# KiCad board solderCurved.kicad_pcb (continued)
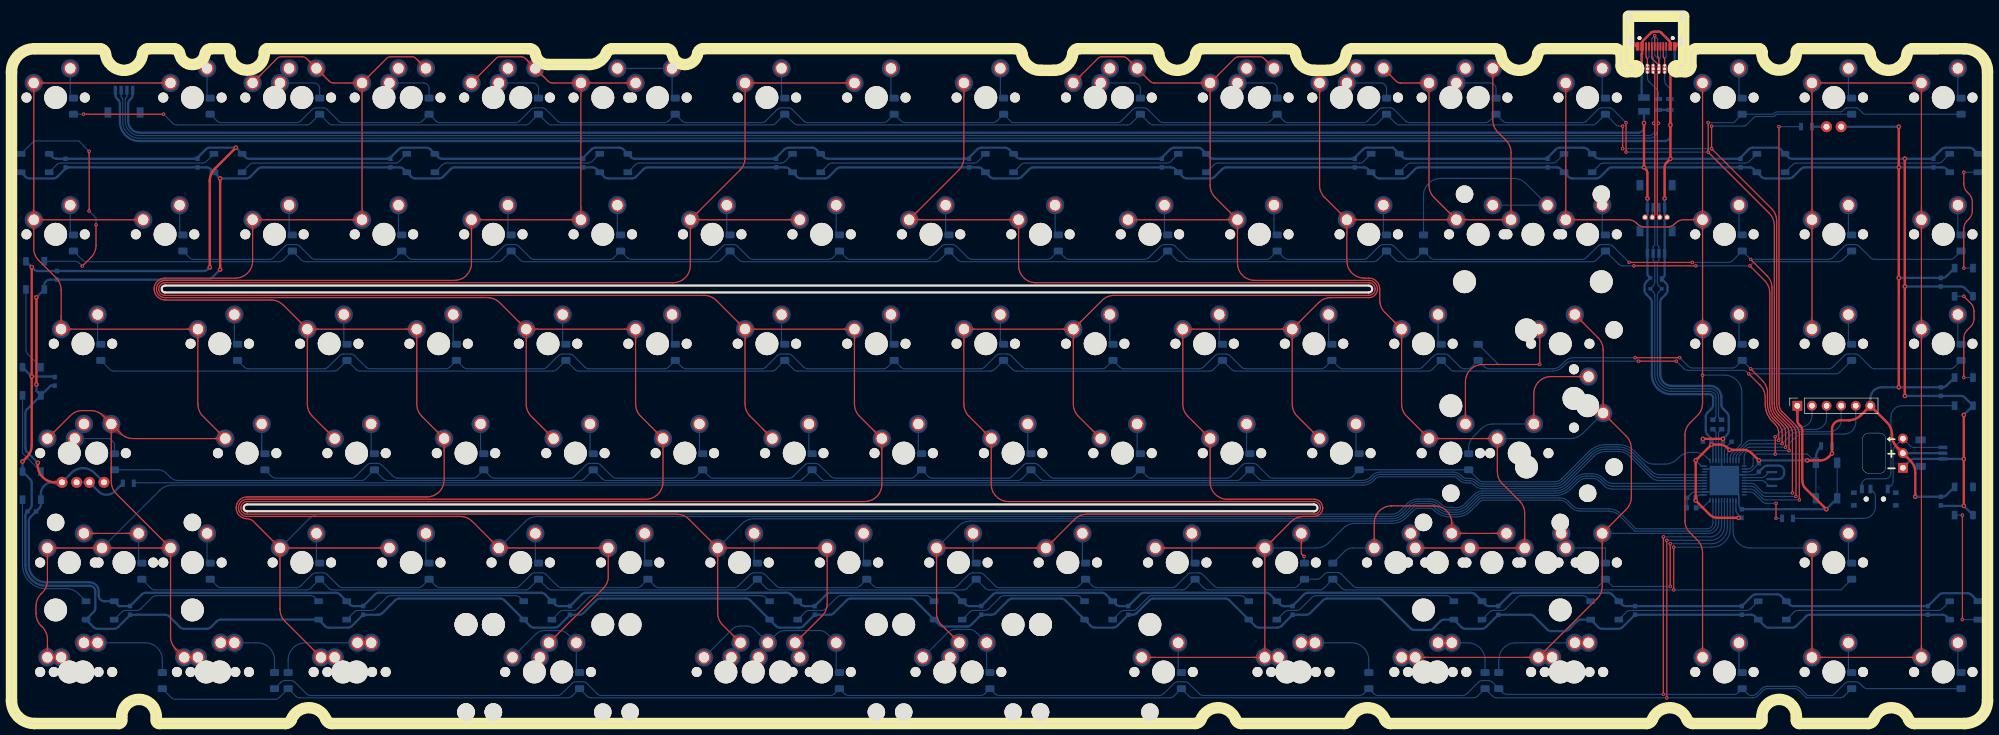
[diagram p0: board, top side]
## Copper pours and planes (outline as drawn; the poured copper is in the pictures) (continued)
Col1 on Top: 68.16,68.56 68.26,68.56 68.36,68.56 68.45,68.55 68.53,68.54 68.61,68.52 68.68,68.5 68.75,68.48 68.81,68.46 68.87,68.43 68.93,68.4 68.98,68.37 69.03,68.34 69.08,68.3 69.13,68.27 69.56,67.89 69.61,67.84 69.67,67.8 69.73,67.76 69.8,67.71 69.87,67.67 69.95,67.63 70.03,67.58 71.15,68.66 70.03,69.74 69.95,69.7 69.87,69.66 69.8,69.62 69.73,69.57 69.67,69.53 69.61,69.49 69.56,69.44 69.13,69.06 69.08,69.03 69.03,68.99 68.98,68.96 68.93,68.93 68.87,68.9 68.81,68.87 68.75,68.85 68.68,68.83 68.61,68.81 68.53,68.79 68.45,68.78 68.36,68.77 68.26,68.77 68.16,68.76
Col1 on Top: 51.6,66.27 51.6,66.38 51.61,66.47 51.62,66.56 51.63,66.64 51.65,66.72 51.66,66.79 51.69,66.86 51.71,66.92 51.74,66.98 51.76,67.04 51.8,67.09 51.83,67.14 51.86,67.19 51.9,67.24 52.28,67.67 52.32,67.72 52.37,67.78 52.41,67.85 52.45,67.91 52.5,67.98 52.54,68.06 52.58,68.14 51.5,69.26 50.42,68.14 50.46,68.06 50.51,67.98 50.55,67.91 50.59,67.85 50.64,67.78 50.68,67.72 50.73,67.67 51.1,67.24 51.14,67.19 51.17,67.14 51.21,67.09 51.24,67.04 51.27,66.98 51.29,66.92 51.32,66.86 51.34,66.79 51.36,66.72 51.37,66.64 51.39,66.56 51.39,66.47 51.4,66.38 51.4,66.27
Col1 on Top: 44.37,87.81 44.26,87.82 44.17,87.82 44.08,87.83 44,87.84 43.92,87.86 43.85,87.88 43.78,87.9 43.72,87.92 43.66,87.95 43.6,87.98 43.55,88.01 43.5,88.04 43.45,88.08 43.4,88.11 42.97,88.49 42.92,88.54 42.86,88.58 42.8,88.62 42.73,88.67 42.66,88.71 42.58,88.75 42.5,88.79 41.38,87.71 42.5,86.63 42.58,86.68 42.66,86.72 42.73,86.76 42.8,86.81 42.86,86.85 42.92,86.89 42.97,86.94 43.4,87.32 43.45,87.35 43.5,87.39 43.55,87.42 43.6,87.45 43.66,87.48 43.72,87.51 43.78,87.53 43.85,87.55 43.92,87.57 44,87.59 44.08,87.6 44.17,87.61 44.26,87.61 44.37,87.61
Col1 on Top: 46.84,28.17 46.84,28.28 46.85,28.37 46.86,28.46 46.87,28.54 46.88,28.62 46.9,28.69 46.92,28.76 46.95,28.82 46.97,28.88 47,28.94 47.03,28.99 47.07,29.04 47.1,29.09 47.14,29.14 47.52,29.57 47.56,29.62 47.6,29.68 47.65,29.75 47.69,29.81 47.74,29.88 47.78,29.96 47.82,30.04 46.74,31.16 45.66,30.04 45.7,29.96 45.74,29.88 45.79,29.81 45.83,29.75 45.87,29.68 45.92,29.62 45.96,29.57 46.34,29.14 46.38,29.09 46.41,29.04 46.44,28.99 46.48,28.94 46.5,28.88 46.53,28.82 46.56,28.76 46.58,28.69 46.59,28.62 46.61,28.54 46.62,28.46 46.63,28.37 46.64,28.28 46.64,28.17
Col1 on Top: 62.65,113.29 62.57,113.22 62.5,113.15 62.43,113.1 62.37,113.05 62.3,113 62.24,112.97 62.17,112.93 62.11,112.91 62.05,112.88 61.99,112.86 61.93,112.85 61.87,112.83 61.81,112.82 61.75,112.82 61.18,112.78 61.11,112.77 61.04,112.76 60.96,112.75 60.88,112.73 60.8,112.71 60.72,112.69 60.63,112.66 60.6,111.1 62.16,111.13 62.19,111.22 62.21,111.3 62.23,111.39 62.25,111.46 62.26,111.54 62.27,111.61 62.28,111.68 62.32,112.25 62.32,112.31 62.33,112.37 62.35,112.43 62.36,112.49 62.38,112.55 62.4,112.61 62.43,112.67 62.47,112.74 62.5,112.8 62.55,112.87 62.6,112.93 62.65,113 62.72,113.07 62.79,113.15
Col1 on Top: 70.65,66.27 70.65,66.38 70.66,66.47 70.67,66.56 70.68,66.64 70.7,66.72 70.71,66.79 70.74,66.86 70.76,66.92 70.79,66.98 70.81,67.04 70.85,67.09 70.88,67.14 70.91,67.19 70.95,67.24 71.33,67.67 71.37,67.72 71.42,67.78 71.46,67.85 71.5,67.91 71.55,67.98 71.59,68.06 71.63,68.14 70.55,69.26 69.47,68.14 69.51,68.06 69.56,67.98 69.6,67.91 69.64,67.85 69.69,67.78 69.73,67.72 69.78,67.67 70.15,67.24 70.19,67.19 70.22,67.14 70.26,67.09 70.29,67.04 70.32,66.98 70.34,66.92 70.37,66.86 70.39,66.79 70.41,66.72 70.42,66.64 70.44,66.56 70.44,66.47 70.45,66.38 70.45,66.27
Col1 on Top: 49.74,70.28 49.81,70.21 49.87,70.14 49.93,70.07 49.98,70 50.02,69.94 50.06,69.87 50.1,69.81 50.12,69.75 50.15,69.69 50.17,69.63 50.18,69.57 50.19,69.51 50.2,69.45 50.21,69.39 50.25,68.82 50.26,68.75 50.27,68.68 50.28,68.6 50.3,68.52 50.32,68.44 50.34,68.36 50.37,68.27 51.93,68.24 51.9,69.8 51.81,69.83 51.72,69.85 51.64,69.87 51.57,69.89 51.49,69.9 51.42,69.91 51.35,69.92 50.78,69.95 50.72,69.96 50.66,69.97 50.6,69.98 50.54,70 50.48,70.02 50.42,70.04 50.36,70.07 50.29,70.1 50.23,70.14 50.16,70.18 50.1,70.23 50.03,70.29 49.96,70.35 49.88,70.43
Col1 on Top: 70.38,115.69 70.45,115.61 70.51,115.54 70.57,115.47 70.62,115.41 70.66,115.34 70.7,115.28 70.73,115.21 70.76,115.15 70.78,115.09 70.8,115.03 70.82,114.97 70.83,114.91 70.84,114.85 70.85,114.79 70.89,114.22 70.89,114.15 70.9,114.08 70.92,114 70.93,113.93 70.95,113.84 70.98,113.76 71.01,113.67 72.56,113.64 72.53,115.2 72.45,115.23 72.36,115.25 72.28,115.27 72.2,115.29 72.13,115.3 72.05,115.31 71.98,115.32 71.41,115.36 71.35,115.36 71.29,115.37 71.24,115.39 71.18,115.4 71.12,115.42 71.05,115.45 70.99,115.47 70.93,115.51 70.87,115.54 70.8,115.59 70.73,115.64 70.66,115.69 70.59,115.76 70.52,115.83
Col1 on Top: 42.08,85.32 42.08,85.43 42.08,85.52 42.09,85.61 42.11,85.69 42.12,85.77 42.14,85.84 42.16,85.91 42.18,85.97 42.21,86.03 42.24,86.09 42.27,86.14 42.3,86.19 42.34,86.24 42.37,86.29 42.75,86.72 42.8,86.77 42.84,86.83 42.89,86.9 42.93,86.96 42.97,87.03 43.02,87.11 43.06,87.19 41.98,88.31 40.9,87.19 40.94,87.11 40.98,87.03 41.02,86.96 41.07,86.9 41.11,86.83 41.16,86.77 41.2,86.72 41.58,86.29 41.61,86.24 41.65,86.19 41.68,86.14 41.71,86.09 41.74,86.03 41.77,85.97 41.79,85.91 41.81,85.84 41.83,85.77 41.85,85.69 41.86,85.61 41.87,85.52 41.87,85.43 41.88,85.32
Col1 on Top: 58.64,111.43 58.74,111.43 58.83,111.42 58.92,111.41 59,111.4 59.08,111.38 59.15,111.36 59.22,111.34 59.29,111.32 59.34,111.29 59.4,111.26 59.45,111.23 59.51,111.2 59.55,111.17 59.6,111.13 60.03,110.75 60.09,110.71 60.14,110.66 60.21,110.62 60.27,110.57 60.35,110.53 60.42,110.49 60.5,110.45 61.63,111.53 60.5,112.61 60.42,112.57 60.35,112.52 60.27,112.48 60.21,112.44 60.14,112.39 60.09,112.35 60.03,112.3 59.6,111.93 59.55,111.89 59.51,111.85 59.45,111.82 59.4,111.79 59.34,111.76 59.29,111.73 59.22,111.71 59.15,111.69 59.08,111.67 59,111.66 58.92,111.64 58.83,111.63 58.74,111.63 58.64,111.63
Col1 on Top: 54.5,51.23 54.57,51.16 54.64,51.09 54.69,51.02 54.74,50.95 54.79,50.89 54.83,50.82 54.86,50.76 54.89,50.7 54.91,50.64 54.93,50.58 54.94,50.52 54.96,50.46 54.97,50.4 54.98,50.34 55.01,49.77 55.02,49.7 55.03,49.63 55.04,49.55 55.06,49.47 55.08,49.39 55.1,49.31 55.13,49.22 56.69,49.19 56.66,50.75 56.57,50.78 56.49,50.8 56.41,50.82 56.33,50.84 56.25,50.85 56.18,50.86 56.11,50.87 55.54,50.9 55.48,50.91 55.42,50.92 55.36,50.93 55.3,50.95 55.24,50.97 55.18,50.99 55.12,51.02 55.06,51.05 54.99,51.09 54.93,51.13 54.86,51.18 54.79,51.24 54.72,51.3 54.64,51.38
Col1 on Top: 61.13,109.14 61.13,109.24 61.13,109.33 61.14,109.42 61.16,109.51 61.17,109.58 61.19,109.65 61.21,109.72 61.23,109.79 61.26,109.85 61.29,109.9 61.32,109.96 61.35,110.01 61.39,110.06 61.42,110.1 61.8,110.53 61.85,110.59 61.89,110.65 61.94,110.71 61.98,110.77 62.02,110.85 62.07,110.92 62.11,111 61.03,112.13 59.95,111 59.99,110.92 60.03,110.85 60.07,110.77 60.12,110.71 60.16,110.65 60.21,110.59 60.25,110.53 60.63,110.1 60.66,110.06 60.7,110.01 60.73,109.96 60.76,109.9 60.79,109.85 60.82,109.79 60.84,109.72 60.86,109.65 60.88,109.58 60.9,109.51 60.91,109.42 60.92,109.33 60.92,109.24 60.93,109.14
Col1 on Top: 53.89,68.76 53.79,68.77 53.69,68.77 53.61,68.78 53.52,68.79 53.45,68.81 53.37,68.83 53.31,68.85 53.24,68.87 53.18,68.9 53.13,68.93 53.07,68.96 53.02,68.99 52.97,69.03 52.93,69.06 52.5,69.44 52.44,69.49 52.38,69.53 52.32,69.57 52.25,69.62 52.18,69.66 52.11,69.7 52.02,69.74 50.9,68.66 52.02,67.58 52.11,67.63 52.18,67.67 52.25,67.71 52.32,67.76 52.38,67.8 52.44,67.84 52.5,67.89 52.93,68.27 52.97,68.3 53.02,68.34 53.07,68.37 53.13,68.4 53.18,68.43 53.24,68.46 53.31,68.48 53.37,68.5 53.45,68.52 53.52,68.54 53.61,68.55 53.69,68.56 53.79,68.56 53.89,68.56
Col1 on Top: 60.93,90.1 60.92,90 60.92,89.91 60.91,89.82 60.9,89.74 60.88,89.66 60.86,89.59 60.84,89.52 60.82,89.46 60.79,89.4 60.76,89.34 60.73,89.29 60.7,89.24 60.66,89.19 60.63,89.14 60.25,88.71 60.21,88.66 60.16,88.6 60.12,88.53 60.07,88.47 60.03,88.4 59.99,88.32 59.95,88.24 61.03,87.11 62.11,88.24 62.07,88.32 62.02,88.4 61.98,88.47 61.94,88.53 61.89,88.6 61.85,88.66 61.8,88.71 61.42,89.14 61.39,89.19 61.35,89.24 61.32,89.29 61.29,89.34 61.26,89.4 61.23,89.46 61.21,89.52 61.19,89.59 61.17,89.66 61.16,89.74 61.14,89.82 61.13,89.91 61.13,90 61.13,90.1
Col1 on Top: 73.55,51.23 73.62,51.16 73.69,51.09 73.74,51.02 73.79,50.95 73.84,50.89 73.88,50.82 73.91,50.76 73.94,50.7 73.96,50.64 73.98,50.58 73.99,50.52 74.01,50.46 74.02,50.4 74.03,50.34 74.06,49.77 74.07,49.7 74.08,49.63 74.09,49.55 74.11,49.47 74.13,49.39 74.15,49.31 74.18,49.22 75.74,49.19 75.71,50.75 75.62,50.78 75.54,50.8 75.46,50.82 75.38,50.84 75.3,50.85 75.23,50.86 75.16,50.87 74.59,50.9 74.53,50.91 74.47,50.92 74.41,50.93 74.35,50.95 74.29,50.97 74.23,50.99 74.17,51.02 74.11,51.05 74.04,51.09 73.98,51.13 73.91,51.18 73.84,51.24 73.77,51.3 73.69,51.38
Col1 on Top: 63.4,30.46 63.5,30.46 63.6,30.46 63.68,30.45 63.77,30.44 63.84,30.42 63.92,30.4 63.98,30.38 64.05,30.36 64.11,30.33 64.16,30.3 64.22,30.27 64.27,30.24 64.32,30.2 64.36,30.17 64.79,29.79 64.85,29.74 64.91,29.7 64.97,29.66 65.04,29.61 65.11,29.57 65.18,29.53 65.27,29.48 66.39,30.56 65.27,31.64 65.18,31.6 65.11,31.56 65.04,31.52 64.97,31.47 64.91,31.43 64.85,31.39 64.79,31.34 64.36,30.96 64.32,30.93 64.27,30.89 64.22,30.86 64.16,30.83 64.11,30.8 64.05,30.77 63.98,30.75 63.92,30.73 63.84,30.71 63.77,30.69 63.68,30.68 63.6,30.67 63.5,30.67 63.4,30.66
Col1 on Top: 75.41,47.22 75.42,47.33 75.42,47.42 75.43,47.51 75.44,47.59 75.46,47.67 75.48,47.74 75.5,47.81 75.52,47.87 75.55,47.93 75.58,47.99 75.61,48.04 75.64,48.09 75.68,48.14 75.71,48.19 76.09,48.62 76.13,48.67 76.18,48.73 76.22,48.8 76.27,48.86 76.31,48.93 76.35,49.01 76.39,49.09 75.31,50.21 74.23,49.09 74.28,49.01 74.32,48.93 74.36,48.86 74.4,48.8 74.45,48.73 74.49,48.67 74.54,48.62 74.92,48.19 74.95,48.14 74.99,48.09 75.02,48.04 75.05,47.99 75.08,47.93 75.11,47.87 75.13,47.81 75.15,47.74 75.17,47.67 75.19,47.59 75.2,47.51 75.21,47.42 75.21,47.33 75.21,47.22
Col1 on Top: 54.85,112.45 54.78,112.52 54.72,112.59 54.66,112.66 54.61,112.73 54.57,112.79 54.53,112.86 54.5,112.92 54.47,112.98 54.44,113.04 54.42,113.1 54.41,113.16 54.4,113.22 54.39,113.28 54.38,113.34 54.34,113.91 54.33,113.98 54.32,114.06 54.31,114.13 54.29,114.21 54.28,114.29 54.25,114.37 54.22,114.46 52.66,114.49 52.7,112.93 52.78,112.91 52.87,112.88 52.95,112.86 53.03,112.84 53.1,112.83 53.17,112.82 53.24,112.81 53.81,112.78 53.87,112.77 53.93,112.76 53.99,112.75 54.05,112.73 54.11,112.71 54.17,112.69 54.24,112.66 54.3,112.63 54.36,112.59 54.43,112.55 54.49,112.5 54.56,112.44 54.63,112.38 54.71,112.31
Col1 on Top: 44.98,32.18 45.05,32.11 45.11,32.04 45.17,31.97 45.22,31.9 45.26,31.84 45.3,31.77 45.33,31.71 45.36,31.65 45.38,31.59 45.4,31.53 45.42,31.47 45.43,31.41 45.44,31.35 45.45,31.29 45.49,30.72 45.49,30.65 45.5,30.58 45.52,30.5 45.53,30.42 45.55,30.34 45.58,30.26 45.61,30.17 47.16,30.14 47.13,31.7 47.05,31.73 46.96,31.75 46.88,31.77 46.8,31.79 46.73,31.8 46.65,31.81 46.58,31.82 46.01,31.85 45.95,31.86 45.89,31.87 45.84,31.88 45.78,31.9 45.72,31.92 45.65,31.94 45.59,31.97 45.53,32 45.47,32.04 45.4,32.08 45.33,32.13 45.26,32.19 45.19,32.25 45.12,32.33
Col1 on Top: 43.6,113.29 43.52,113.22 43.45,113.15 43.38,113.1 43.32,113.05 43.25,113 43.19,112.97 43.12,112.93 43.06,112.91 43,112.88 42.94,112.86 42.88,112.85 42.82,112.83 42.76,112.82 42.7,112.82 42.13,112.78 42.06,112.77 41.99,112.76 41.91,112.75 41.83,112.73 41.75,112.71 41.67,112.69 41.58,112.66 41.55,111.1 43.11,111.13 43.14,111.22 43.16,111.3 43.18,111.39 43.2,111.46 43.21,111.54 43.22,111.61 43.23,111.68 43.27,112.25 43.27,112.31 43.28,112.37 43.3,112.43 43.31,112.49 43.33,112.55 43.35,112.61 43.38,112.67 43.42,112.74 43.45,112.8 43.5,112.87 43.55,112.93 43.6,113 43.67,113.07 43.74,113.15
Col1 on Top: 58.64,87.61 58.74,87.61 58.83,87.61 58.92,87.6 59,87.59 59.08,87.57 59.15,87.55 59.22,87.53 59.29,87.51 59.34,87.48 59.4,87.45 59.45,87.42 59.51,87.39 59.55,87.35 59.6,87.32 60.03,86.94 60.09,86.89 60.14,86.85 60.21,86.81 60.27,86.76 60.35,86.72 60.42,86.68 60.5,86.63 61.63,87.71 60.5,88.79 60.42,88.75 60.35,88.71 60.27,88.67 60.21,88.62 60.14,88.58 60.09,88.54 60.03,88.49 59.6,88.11 59.55,88.08 59.51,88.04 59.45,88.01 59.4,87.98 59.34,87.95 59.29,87.92 59.22,87.9 59.15,87.88 59.08,87.86 59,87.84 58.92,87.83 58.83,87.82 58.74,87.82 58.64,87.81
Col1 on Top: 52.12,13.13 52.19,13.06 52.26,12.99 52.31,12.92 52.36,12.85 52.41,12.79 52.44,12.72 52.48,12.66 52.5,12.6 52.53,12.54 52.55,12.48 52.56,12.42 52.58,12.36 52.59,12.3 52.59,12.24 52.63,11.67 52.64,11.6 52.65,11.53 52.66,11.45 52.68,11.37 52.7,11.29 52.72,11.21 52.75,11.12 54.31,11.09 54.28,12.65 54.19,12.68 54.11,12.7 54.02,12.72 53.95,12.74 53.87,12.75 53.8,12.76 53.73,12.77 53.16,12.8 53.1,12.81 53.04,12.82 52.98,12.83 52.92,12.85 52.86,12.87 52.8,12.89 52.74,12.92 52.67,12.95 52.61,12.99 52.54,13.03 52.48,13.08 52.41,13.14 52.34,13.2 52.26,13.28
Col1 on Top: 51.33,115.69 51.4,115.61 51.46,115.54 51.52,115.47 51.57,115.41 51.61,115.34 51.65,115.28 51.68,115.21 51.71,115.15 51.73,115.09 51.75,115.03 51.77,114.97 51.78,114.91 51.79,114.85 51.8,114.79 51.84,114.22 51.84,114.15 51.85,114.08 51.87,114 51.88,113.93 51.9,113.84 51.93,113.76 51.96,113.67 53.51,113.64 53.48,115.2 53.4,115.23 53.31,115.25 53.23,115.27 53.15,115.29 53.08,115.3 53,115.31 52.93,115.32 52.36,115.36 52.3,115.36 52.24,115.37 52.19,115.39 52.13,115.4 52.07,115.42 52,115.45 51.94,115.47 51.88,115.51 51.82,115.54 51.75,115.59 51.68,115.64 51.61,115.69 51.54,115.76 51.47,115.83
Col1 on Bottom: 48.36,32.33 48.28,32.25 48.21,32.19 48.14,32.13 48.08,32.08 48.01,32.04 47.95,32 47.89,31.97 47.82,31.94 47.76,31.92 47.7,31.9 47.64,31.88 47.58,31.87 47.52,31.86 47.46,31.85 46.89,31.82 46.82,31.81 46.75,31.8 46.68,31.79 46.6,31.77 46.52,31.75 46.43,31.73 46.35,31.7 46.31,30.14 47.87,30.17 47.9,30.26 47.93,30.34 47.94,30.42 47.96,30.5 47.97,30.58 47.98,30.65 47.99,30.72 48.03,31.29 48.04,31.35 48.05,31.41 48.06,31.47 48.07,31.53 48.09,31.59 48.12,31.65 48.15,31.71 48.18,31.77 48.22,31.84 48.26,31.9 48.31,31.97 48.37,32.04 48.43,32.11 48.5,32.18
Col1 on Bottom: 48.92,32.89 48.83,32.8 48.73,32.71 48.64,32.64 48.55,32.57 48.46,32.51 48.37,32.46 48.29,32.42 48.2,32.38 48.12,32.35 48.04,32.33 47.96,32.31 47.88,32.29 47.8,32.28 47.72,32.27 47.64,32.26 47.56,32.26 47.14,32.25 47.05,32.24 46.95,32.23 46.86,32.22 46.76,32.21 46.66,32.19 46.55,32.17 46.44,32.15 46.33,32.11 46.21,32.08 46.17,30 48.25,30.04 48.29,30.16 48.32,30.27 48.35,30.38 48.37,30.48 48.39,30.59 48.4,30.68 48.41,30.78 48.42,30.87 48.42,30.96 48.43,31.39 48.44,31.47 48.44,31.55 48.45,31.63 48.47,31.71 48.48,31.79 48.5,31.87 48.53,31.95 48.56,32.03 48.59,32.11 48.64,32.2 48.69,32.28 48.74,32.37 48.81,32.46 48.89,32.56 48.97,32.65 49.07,32.75
Col2 on Top: 106.26,111.43 106.36,111.43 106.46,111.42 106.55,111.41 106.63,111.4 106.71,111.38 106.78,111.36 106.85,111.34 106.91,111.32 106.97,111.29 107.03,111.26 107.08,111.23 107.13,111.2 107.18,111.17 107.23,111.13 107.66,110.75 107.71,110.71 107.77,110.66 107.83,110.62 107.9,110.57 107.97,110.53 108.05,110.49 108.13,110.45 109.25,111.53 108.13,112.61 108.05,112.57 107.97,112.52 107.9,112.48 107.83,112.44 107.77,112.39 107.71,112.35 107.66,112.3 107.23,111.93 107.18,111.89 107.13,111.85 107.08,111.82 107.03,111.79 106.97,111.76 106.91,111.73 106.85,111.71 106.78,111.69 106.71,111.67 106.63,111.66 106.55,111.64 106.46,111.63 106.36,111.63 106.26,111.63
Col2 on Top: 81.7,113.29 81.62,113.22 81.55,113.15 81.48,113.1 81.42,113.05 81.35,113 81.29,112.97 81.22,112.93 81.16,112.91 81.1,112.88 81.04,112.86 80.98,112.85 80.92,112.83 80.86,112.82 80.8,112.82 80.23,112.78 80.16,112.77 80.09,112.76 80.01,112.75 79.93,112.73 79.85,112.71 79.77,112.69 79.68,112.66 79.65,111.1 81.21,111.13 81.24,111.22 81.26,111.3 81.28,111.39 81.3,111.46 81.31,111.54 81.32,111.61 81.33,111.68 81.37,112.25 81.37,112.31 81.38,112.37 81.4,112.43 81.41,112.49 81.43,112.55 81.45,112.61 81.48,112.67 81.52,112.74 81.55,112.8 81.6,112.87 81.65,112.93 81.7,113 81.77,113.07 81.84,113.15
Col2 on Top: 103.99,28.17 103.99,28.28 104,28.37 104.01,28.46 104.02,28.54 104.03,28.62 104.05,28.69 104.07,28.76 104.1,28.82 104.12,28.88 104.15,28.94 104.18,28.99 104.22,29.04 104.25,29.09 104.29,29.14 104.67,29.57 104.71,29.62 104.75,29.68 104.8,29.75 104.84,29.81 104.89,29.88 104.93,29.96 104.97,30.04 103.89,31.16 102.81,30.04 102.85,29.96 102.89,29.88 102.94,29.81 102.98,29.75 103.02,29.68 103.07,29.62 103.11,29.57 103.49,29.14 103.53,29.09 103.56,29.04 103.59,28.99 103.63,28.94 103.65,28.88 103.68,28.82 103.71,28.76 103.73,28.69 103.74,28.62 103.76,28.54 103.77,28.46 103.78,28.37 103.79,28.28 103.79,28.17
Col2 on Top: 111.65,51.23 111.72,51.16 111.79,51.09 111.84,51.02 111.89,50.95 111.94,50.89 111.98,50.82 112.01,50.76 112.04,50.7 112.06,50.64 112.08,50.58 112.09,50.52 112.11,50.46 112.12,50.4 112.13,50.34 112.16,49.77 112.17,49.7 112.18,49.63 112.19,49.55 112.21,49.47 112.23,49.39 112.25,49.31 112.28,49.22 113.84,49.19 113.81,50.75 113.72,50.78 113.64,50.8 113.56,50.82 113.48,50.84 113.4,50.85 113.33,50.86 113.26,50.87 112.69,50.9 112.63,50.91 112.57,50.92 112.51,50.93 112.45,50.95 112.39,50.97 112.33,50.99 112.27,51.02 112.21,51.05 112.14,51.09 112.08,51.13 112.01,51.18 111.94,51.24 111.87,51.3 111.79,51.38
Col2 on Top: 101.5,30.46 101.6,30.46 101.7,30.46 101.78,30.45 101.87,30.44 101.94,30.42 102.02,30.4 102.08,30.38 102.15,30.36 102.21,30.33 102.26,30.3 102.32,30.27 102.37,30.24 102.42,30.2 102.46,30.17 102.89,29.79 102.95,29.74 103.01,29.7 103.07,29.66 103.14,29.61 103.21,29.57 103.28,29.53 103.37,29.48 104.49,30.56 103.37,31.64 103.28,31.6 103.21,31.56 103.14,31.52 103.07,31.47 103.01,31.43 102.95,31.39 102.89,31.34 102.46,30.96 102.42,30.93 102.37,30.89 102.32,30.86 102.26,30.83 102.21,30.8 102.15,30.77 102.08,30.75 102.02,30.73 101.94,30.71 101.87,30.69 101.78,30.68 101.7,30.67 101.6,30.67 101.5,30.66
Col2 on Top: 99.23,109.14 99.23,109.24 99.23,109.33 99.24,109.42 99.26,109.51 99.27,109.58 99.29,109.65 99.31,109.72 99.33,109.79 99.36,109.85 99.39,109.9 99.42,109.96 99.45,110.01 99.49,110.06 99.52,110.1 99.9,110.53 99.95,110.59 99.99,110.65 100.04,110.71 100.08,110.77 100.12,110.85 100.17,110.92 100.21,111 99.13,112.13 98.05,111 98.09,110.92 98.13,110.85 98.17,110.77 98.22,110.71 98.26,110.65 98.31,110.59 98.35,110.53 98.73,110.1 98.76,110.06 98.8,110.01 98.83,109.96 98.86,109.9 98.89,109.85 98.92,109.79 98.94,109.72 98.96,109.65 98.98,109.58 99,109.51 99.01,109.42 99.02,109.33 99.02,109.24 99.03,109.14
Col2 on Top: 89.7,66.27 89.7,66.38 89.71,66.47 89.72,66.56 89.73,66.64 89.75,66.72 89.76,66.79 89.79,66.86 89.81,66.92 89.84,66.98 89.86,67.04 89.9,67.09 89.93,67.14 89.96,67.19 90,67.24 90.38,67.67 90.42,67.72 90.47,67.78 90.51,67.85 90.55,67.91 90.6,67.98 90.64,68.06 90.68,68.14 89.6,69.26 88.52,68.14 88.56,68.06 88.61,67.98 88.65,67.91 88.69,67.85 88.74,67.78 88.78,67.72 88.83,67.67 89.2,67.24 89.24,67.19 89.27,67.14 89.31,67.09 89.34,67.04 89.37,66.98 89.39,66.92 89.42,66.86 89.44,66.79 89.46,66.72 89.47,66.64 89.49,66.56 89.49,66.47 89.5,66.38 89.5,66.27
Col2 on Top: 80.18,85.32 80.18,85.43 80.18,85.52 80.19,85.61 80.21,85.69 80.22,85.77 80.24,85.84 80.26,85.91 80.28,85.97 80.31,86.03 80.34,86.09 80.37,86.14 80.4,86.19 80.44,86.24 80.47,86.29 80.85,86.72 80.9,86.77 80.94,86.83 80.99,86.9 81.03,86.96 81.07,87.03 81.12,87.11 81.16,87.19 80.08,88.31 79,87.19 79.04,87.11 79.08,87.03 79.12,86.96 79.17,86.9 79.21,86.83 79.26,86.77 79.3,86.72 79.68,86.29 79.71,86.24 79.75,86.19 79.78,86.14 79.81,86.09 79.84,86.03 79.87,85.97 79.89,85.91 79.91,85.84 79.93,85.77 79.95,85.69 79.96,85.61 79.97,85.52 79.97,85.43 79.98,85.32
Col2 on Top: 87.84,70.28 87.91,70.21 87.97,70.14 88.03,70.07 88.08,70 88.12,69.94 88.16,69.87 88.2,69.81 88.22,69.75 88.25,69.69 88.27,69.63 88.28,69.57 88.29,69.51 88.3,69.45 88.31,69.39 88.35,68.82 88.36,68.75 88.37,68.68 88.38,68.6 88.4,68.52 88.42,68.44 88.44,68.36 88.47,68.27 90.03,68.24 90,69.8 89.91,69.83 89.82,69.85 89.74,69.87 89.67,69.89 89.59,69.9 89.52,69.91 89.45,69.92 88.88,69.95 88.82,69.96 88.76,69.97 88.7,69.98 88.64,70 88.58,70.02 88.52,70.04 88.46,70.07 88.39,70.1 88.33,70.14 88.26,70.18 88.2,70.23 88.13,70.29 88.06,70.35 87.98,70.43
Col2 on Top: 87.23,30.66 87.13,30.67 87.03,30.67 86.94,30.68 86.86,30.69 86.78,30.71 86.71,30.73 86.64,30.75 86.58,30.77 86.52,30.8 86.46,30.83 86.41,30.86 86.36,30.89 86.31,30.93 86.26,30.96 85.84,31.34 85.78,31.39 85.72,31.43 85.66,31.47 85.59,31.52 85.52,31.56 85.44,31.6 85.36,31.64 84.24,30.56 85.36,29.48 85.44,29.53 85.52,29.57 85.59,29.61 85.66,29.66 85.72,29.7 85.78,29.74 85.84,29.79 86.26,30.17 86.31,30.2 86.36,30.24 86.41,30.27 86.46,30.3 86.52,30.33 86.58,30.36 86.64,30.38 86.71,30.4 86.78,30.42 86.86,30.44 86.94,30.45 87.03,30.46 87.13,30.46 87.23,30.46
Col2 on Top: 92.6,51.23 92.67,51.16 92.74,51.09 92.79,51.02 92.84,50.95 92.89,50.89 92.93,50.82 92.96,50.76 92.99,50.7 93.01,50.64 93.03,50.58 93.04,50.52 93.06,50.46 93.07,50.4 93.08,50.34 93.11,49.77 93.12,49.7 93.13,49.63 93.14,49.55 93.16,49.47 93.18,49.39 93.2,49.31 93.23,49.22 94.79,49.19 94.76,50.75 94.67,50.78 94.59,50.8 94.51,50.82 94.43,50.84 94.35,50.85 94.28,50.86 94.21,50.87 93.64,50.9 93.58,50.91 93.52,50.92 93.46,50.93 93.4,50.95 93.34,50.97 93.28,50.99 93.22,51.02 93.16,51.05 93.09,51.09 93.03,51.13 92.96,51.18 92.89,51.24 92.82,51.3 92.74,51.38
Col2 on Top: 96.74,111.43 96.84,111.43 96.93,111.42 97.02,111.41 97.1,111.4 97.18,111.38 97.25,111.36 97.32,111.34 97.39,111.32 97.44,111.29 97.5,111.26 97.55,111.23 97.61,111.2 97.65,111.17 97.7,111.13 98.13,110.75 98.19,110.71 98.24,110.66 98.31,110.62 98.37,110.57 98.45,110.53 98.52,110.49 98.6,110.45 99.73,111.53 98.6,112.61 98.52,112.57 98.45,112.52 98.37,112.48 98.31,112.44 98.24,112.39 98.19,112.35 98.13,112.3 97.7,111.93 97.65,111.89 97.61,111.85 97.55,111.82 97.5,111.79 97.44,111.76 97.39,111.73 97.32,111.71 97.25,111.69 97.18,111.67 97.1,111.66 97.02,111.64 96.93,111.63 96.84,111.63 96.74,111.63
Col2 on Top: 92.95,112.45 92.88,112.52 92.82,112.59 92.76,112.66 92.71,112.73 92.67,112.79 92.63,112.86 92.6,112.92 92.57,112.98 92.54,113.04 92.52,113.1 92.51,113.16 92.5,113.22 92.49,113.28 92.48,113.34 92.44,113.91 92.43,113.98 92.42,114.06 92.41,114.13 92.39,114.21 92.38,114.29 92.35,114.37 92.32,114.46 90.76,114.49 90.8,112.93 90.88,112.91 90.97,112.88 91.05,112.86 91.13,112.84 91.2,112.83 91.27,112.82 91.34,112.81 91.91,112.78 91.97,112.77 92.03,112.76 92.09,112.75 92.15,112.73 92.21,112.71 92.27,112.69 92.34,112.66 92.4,112.63 92.46,112.59 92.53,112.55 92.59,112.5 92.66,112.44 92.73,112.38 92.81,112.31
Col2 on Top: 95.19,15.82 95.12,15.74 95.05,15.68 94.98,15.62 94.91,15.57 94.84,15.53 94.78,15.49 94.72,15.46 94.65,15.43 94.59,15.41 94.53,15.39 94.47,15.37 94.41,15.36 94.36,15.35 94.3,15.34 93.73,15.31 93.66,15.3 93.58,15.29 93.51,15.28 93.43,15.26 93.35,15.24 93.26,15.22 93.18,15.19 93.15,13.63 94.7,13.66 94.73,13.75 94.76,13.83 94.78,13.91 94.79,13.99 94.81,14.07 94.82,14.14 94.82,14.21 94.86,14.78 94.87,14.84 94.88,14.9 94.89,14.96 94.91,15.02 94.93,15.08 94.95,15.14 94.98,15.2 95.01,15.26 95.05,15.33 95.09,15.39 95.14,15.46 95.2,15.53 95.26,15.6 95.33,15.67
Col2 on Top: 83.08,32.18 83.15,32.11 83.21,32.04 83.27,31.97 83.32,31.9 83.36,31.84 83.4,31.77 83.43,31.71 83.46,31.65 83.48,31.59 83.5,31.53 83.52,31.47 83.53,31.41 83.54,31.35 83.55,31.29 83.59,30.72 83.59,30.65 83.6,30.58 83.62,30.5 83.63,30.42 83.65,30.34 83.68,30.26 83.71,30.17 85.26,30.14 85.23,31.7 85.15,31.73 85.06,31.75 84.98,31.77 84.9,31.79 84.83,31.8 84.75,31.81 84.68,31.82 84.11,31.85 84.05,31.86 83.99,31.87 83.94,31.88 83.88,31.9 83.82,31.92 83.75,31.94 83.69,31.97 83.63,32 83.57,32.04 83.5,32.08 83.43,32.13 83.36,32.19 83.29,32.25 83.22,32.33
Col2 on Top: 113.51,47.22 113.52,47.33 113.52,47.42 113.53,47.51 113.54,47.59 113.56,47.67 113.58,47.74 113.6,47.81 113.62,47.87 113.65,47.93 113.68,47.99 113.71,48.04 113.74,48.09 113.78,48.14 113.81,48.19 114.19,48.62 114.23,48.67 114.28,48.73 114.32,48.8 114.37,48.86 114.41,48.93 114.45,49.01 114.49,49.09 113.41,50.21 112.33,49.09 112.38,49.01 112.42,48.93 112.46,48.86 112.5,48.8 112.55,48.73 112.59,48.67 112.64,48.62 113.02,48.19 113.05,48.14 113.09,48.09 113.12,48.04 113.15,47.99 113.18,47.93 113.21,47.87 113.23,47.81 113.25,47.74 113.27,47.67 113.29,47.59 113.3,47.51 113.31,47.42 113.31,47.33 113.31,47.22
Col2 on Top: 99.03,90.1 99.02,90 99.02,89.91 99.01,89.82 99,89.74 98.98,89.66 98.96,89.59 98.94,89.52 98.92,89.46 98.89,89.4 98.86,89.34 98.83,89.29 98.8,89.24 98.76,89.19 98.73,89.14 98.35,88.71 98.31,88.66 98.26,88.6 98.22,88.53 98.17,88.47 98.13,88.4 98.09,88.32 98.05,88.24 99.13,87.11 100.21,88.24 100.17,88.32 100.12,88.4 100.08,88.47 100.04,88.53 99.99,88.6 99.95,88.66 99.9,88.71 99.52,89.14 99.49,89.19 99.45,89.24 99.42,89.29 99.39,89.34 99.36,89.4 99.33,89.46 99.31,89.52 99.29,89.59 99.27,89.66 99.26,89.74 99.24,89.82 99.23,89.91 99.23,90 99.23,90.1
